# Altium PCB klpfly.PcbDoc
Units mil, origin at the board's own origin, x right, y up, seen from the top; angles counter-clockwise.
Board outline 1496.06 x 1496.06 mil, 4 copper layers (Top Layer, POWER2, GND3, Bottom Layer), stack 23.756 mil thick; 127 components, 99 nets, 524 pads, 122 vias.
Unrouted connection lines stored in the file: 274.
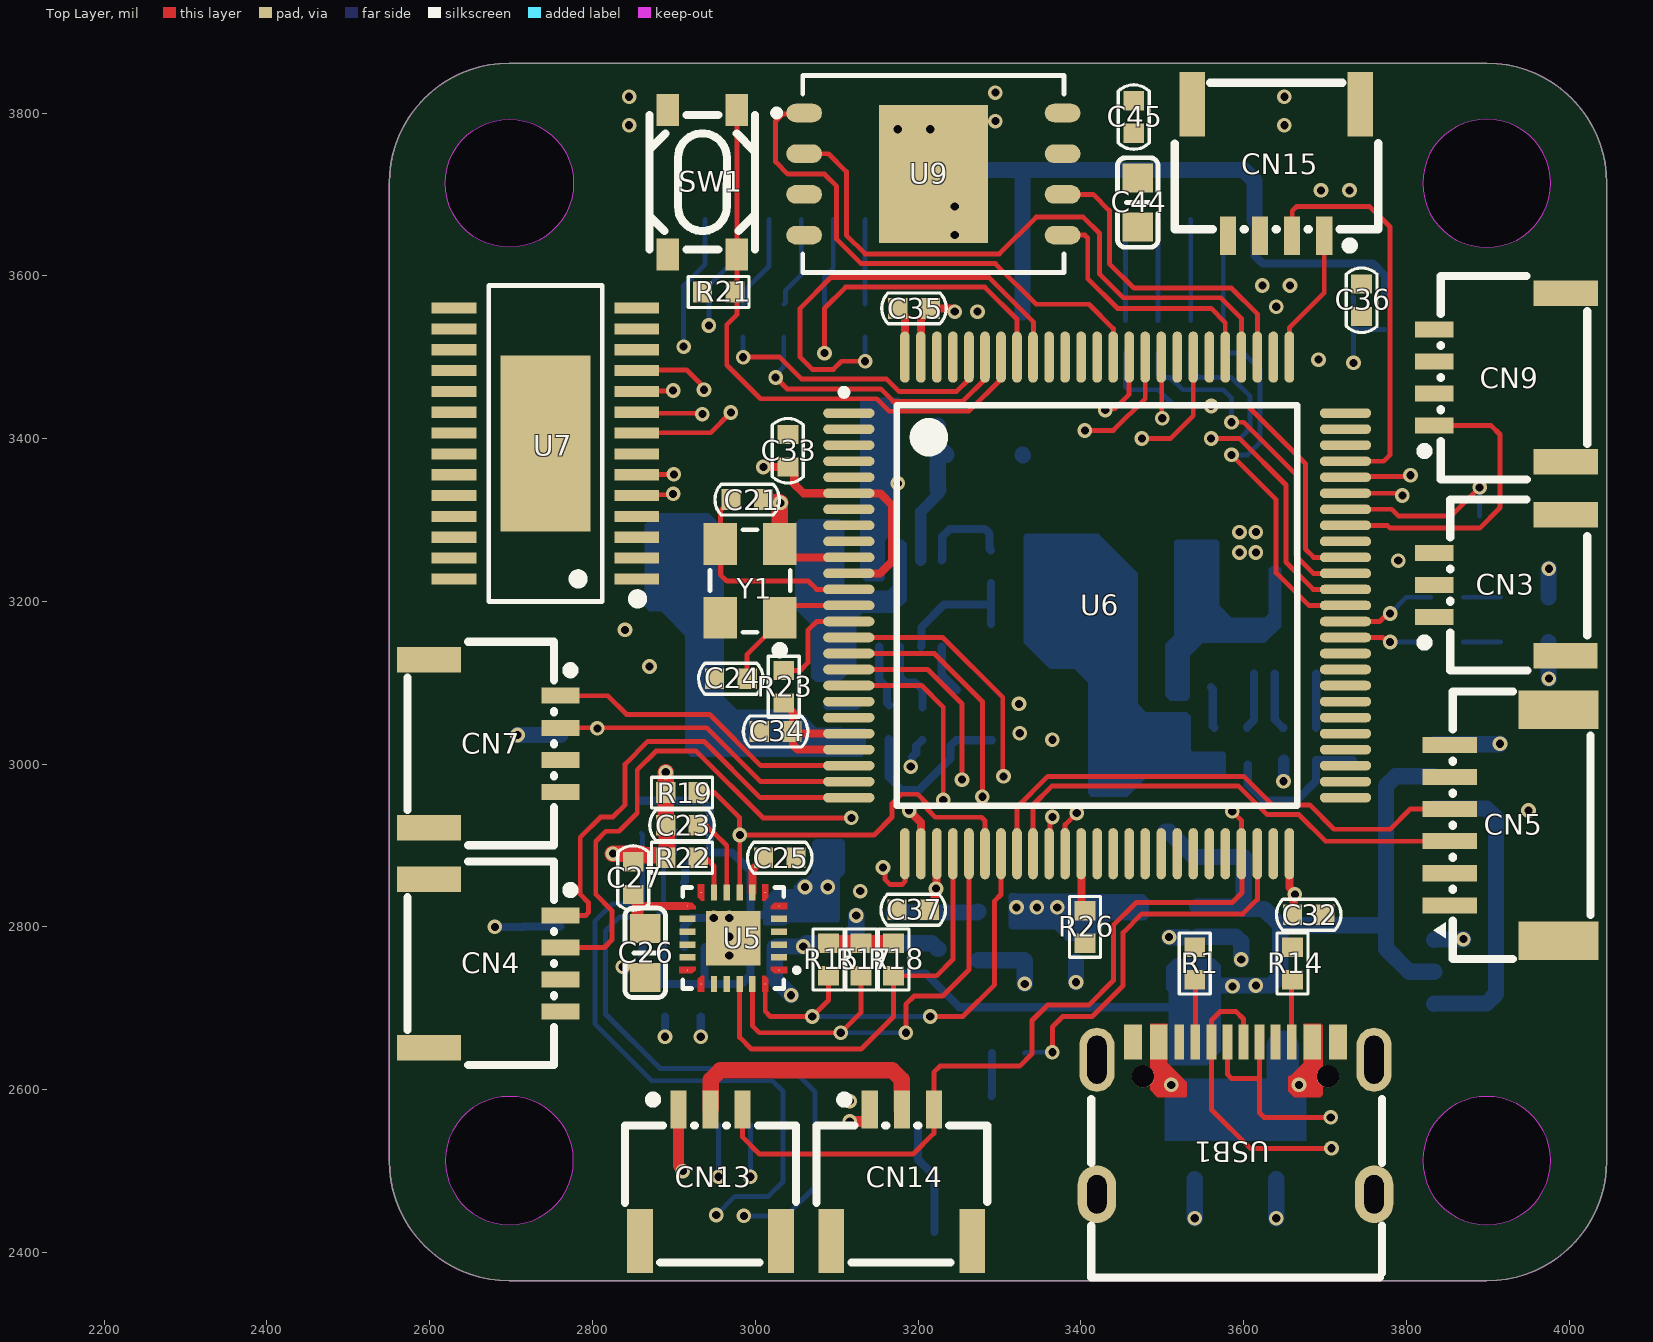
[diagram p0: Top Layer view]
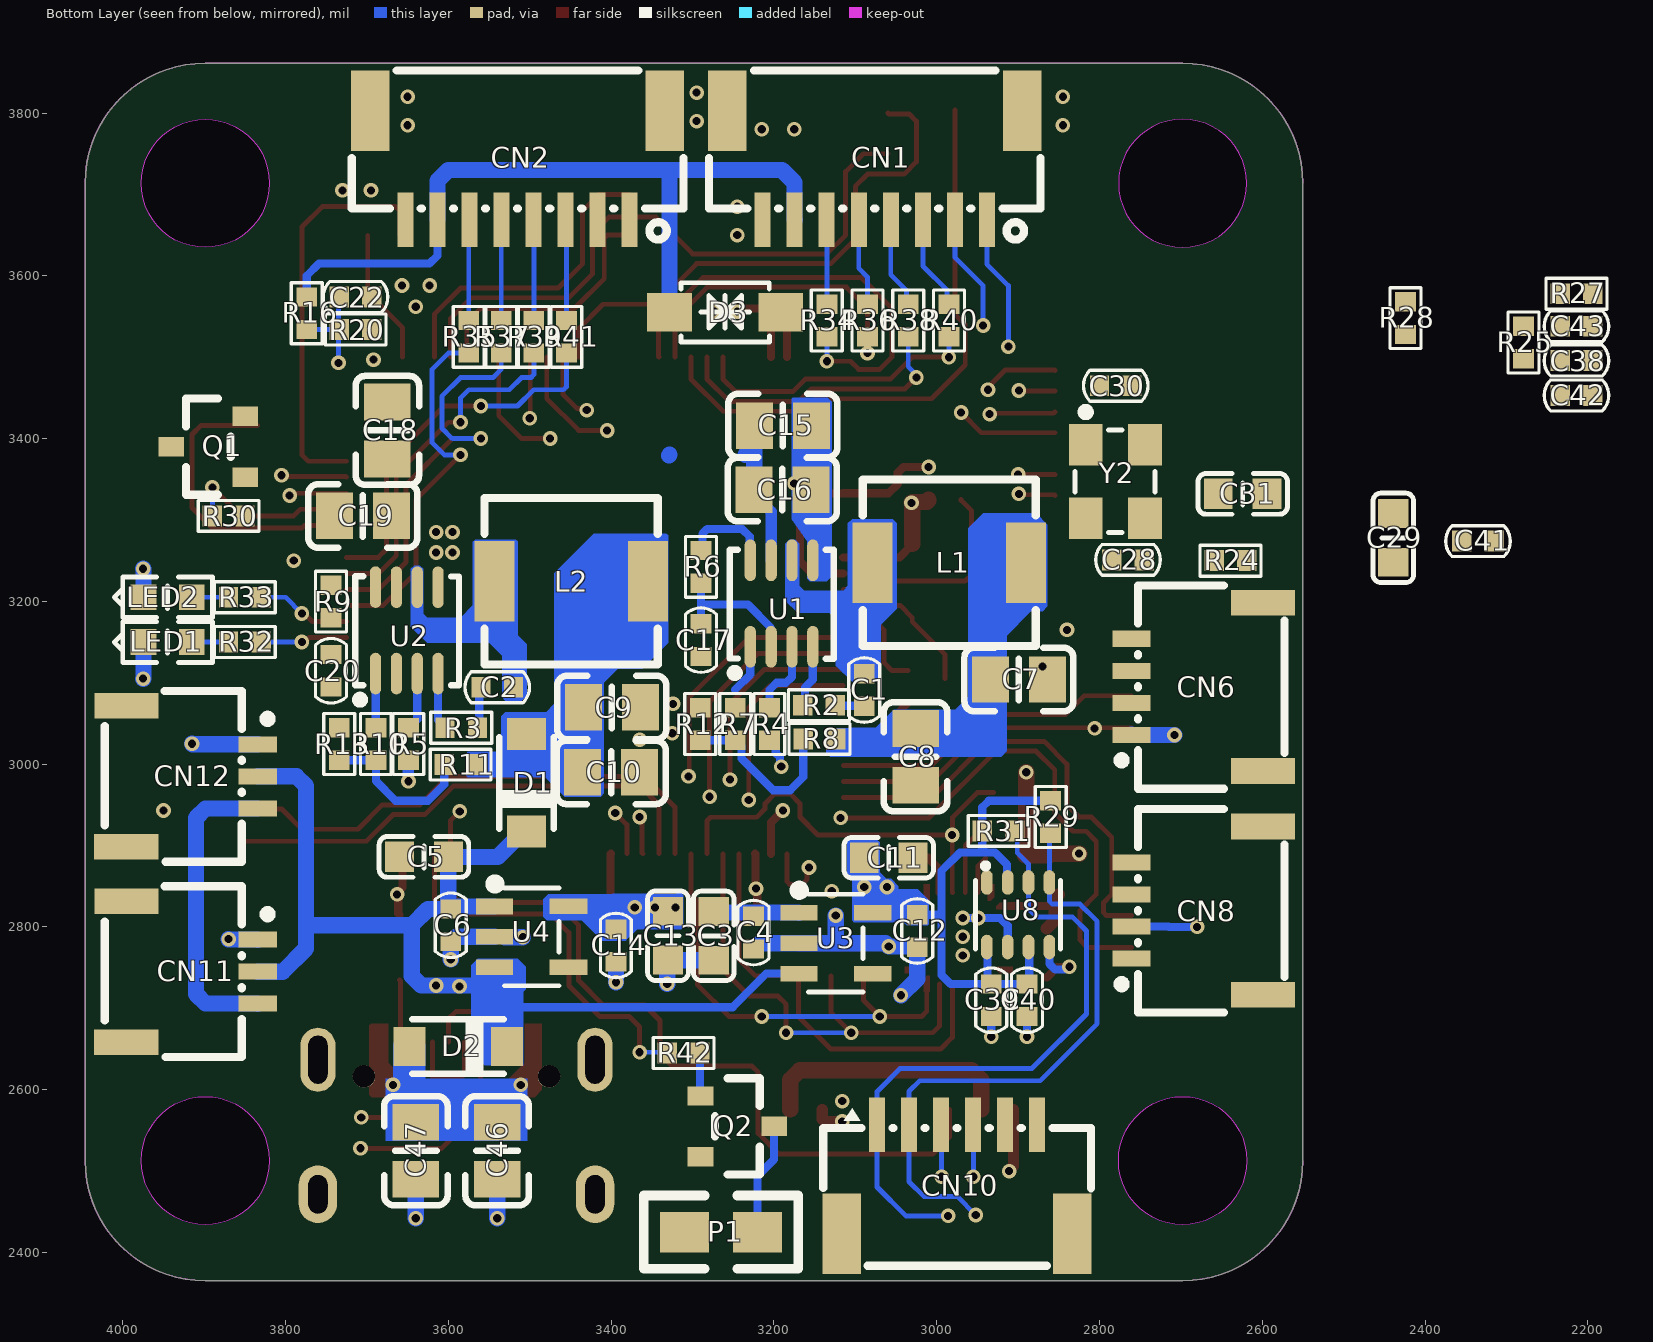
[diagram p1: Bottom Layer view, seen from below]
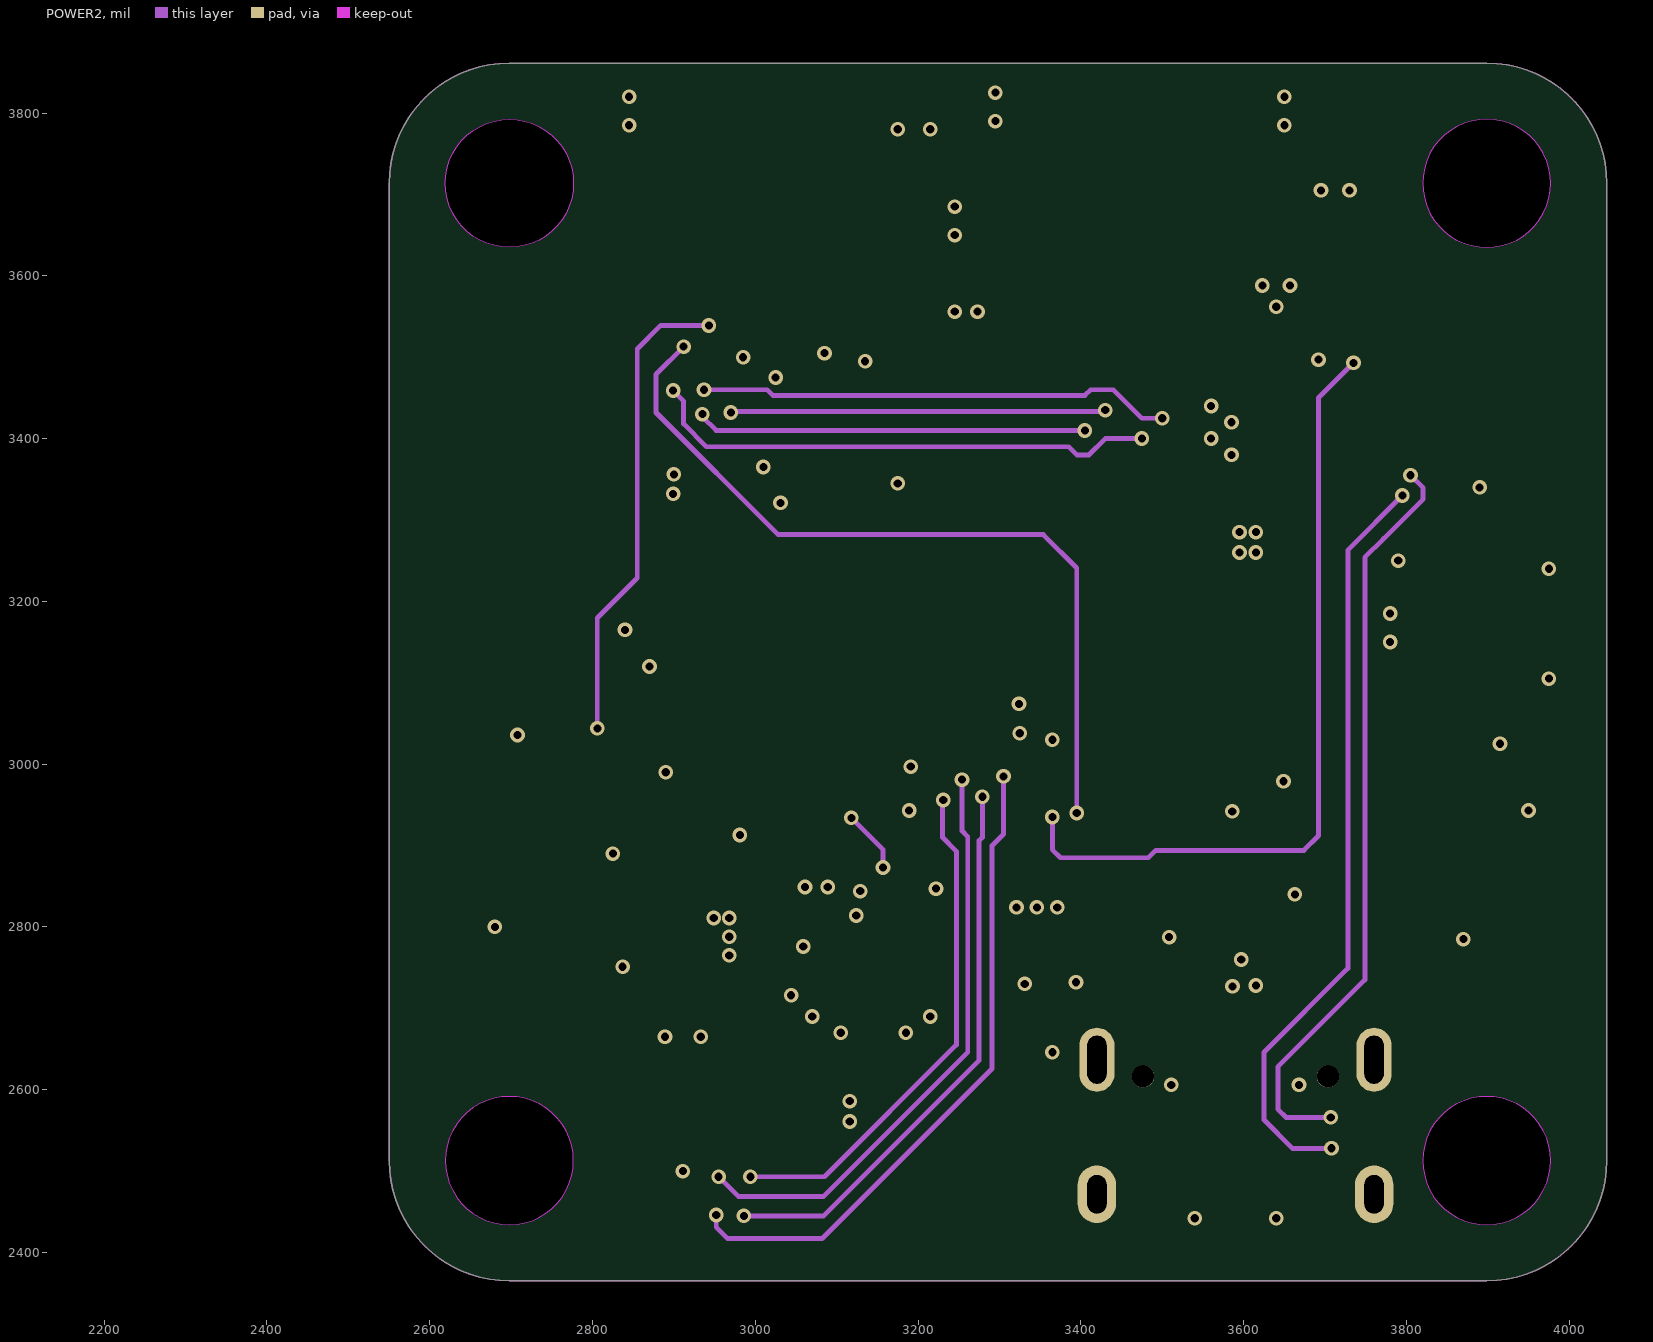
[diagram p2: POWER2]
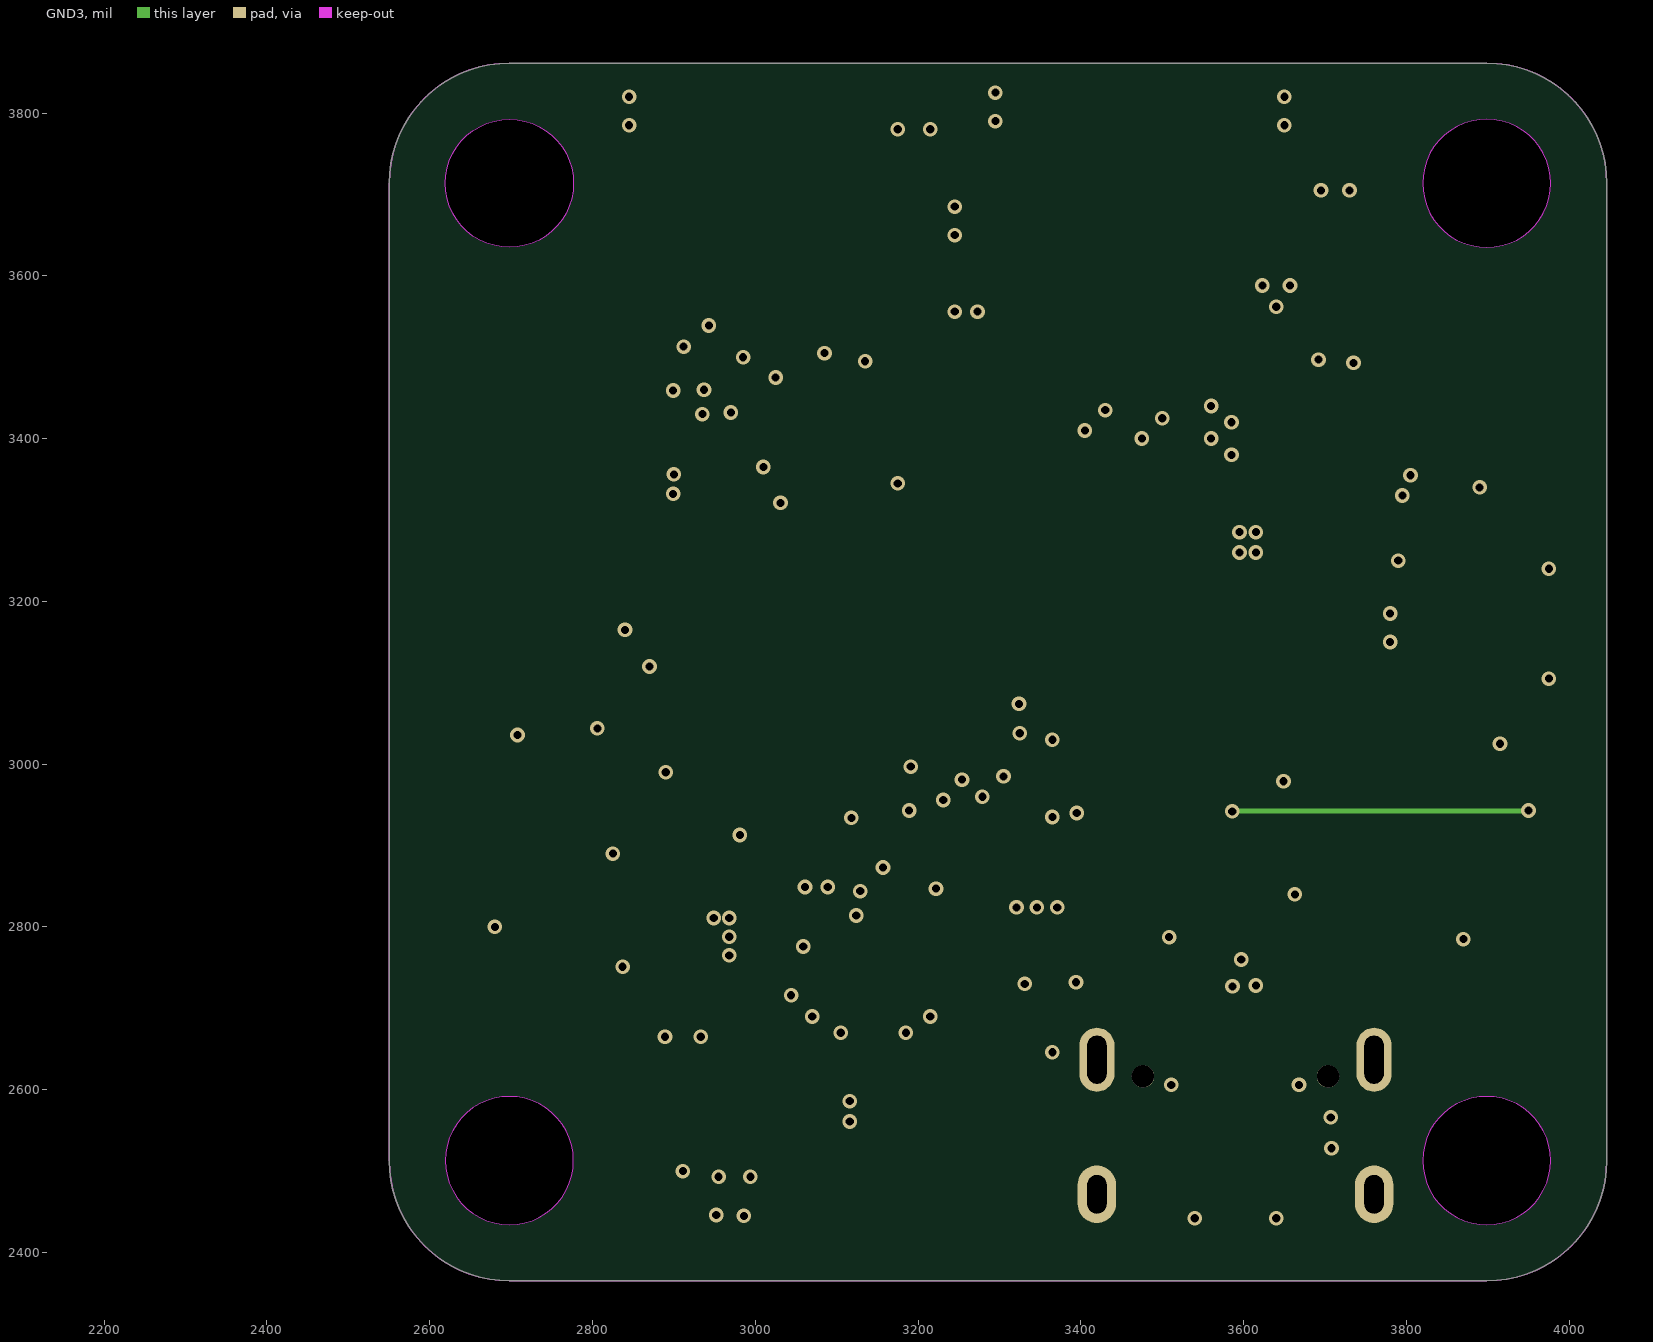
[diagram p3: GND3]
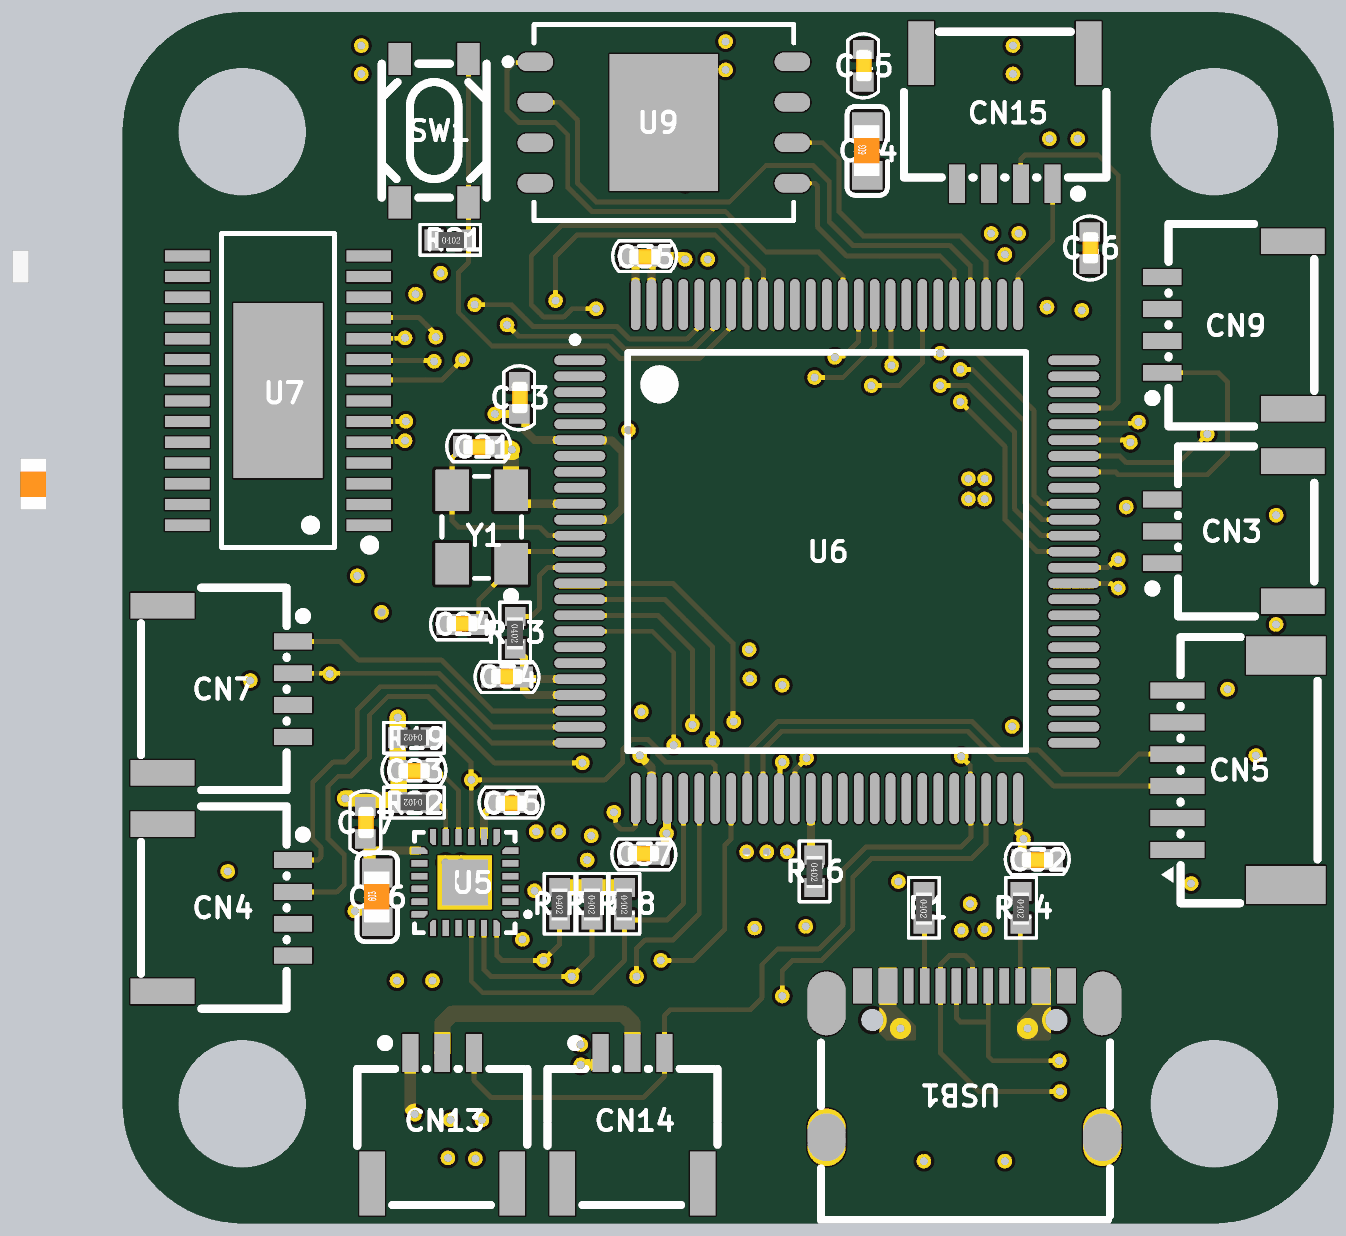
[diagram p4: 3D render of the assembled board from above, using the file's embedded part models]
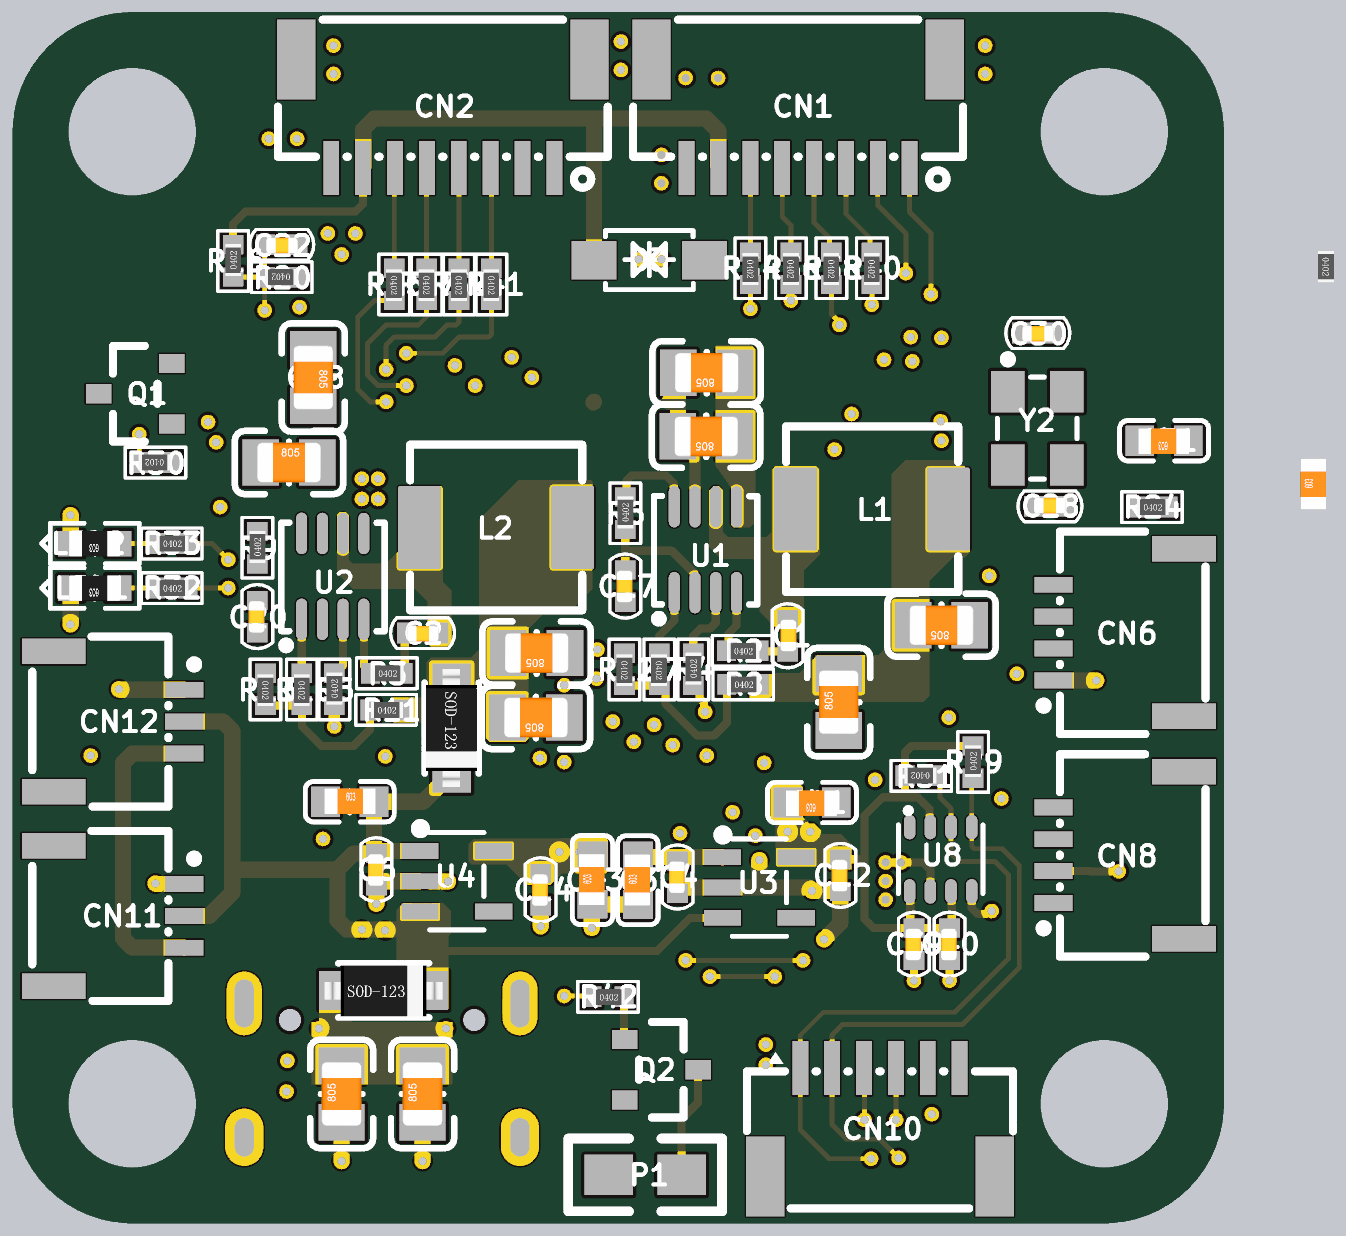
[diagram p5: 3D render of the assembled board from below, using the file's embedded part models]

## Layer stack, top to bottom
Top Solder: solder mask 0.4, Solder Resist, Dk 3.5
Top Layer: signal copper 1.4
Dielectric 2: prepreg 2.8, PP-006, Dk 4.1
POWER2: signal copper 1.378
Dielectric 1: dielectric 12.6, FR-4, Dk 4.8
GND3: signal copper 1.378
Dielectric 3: prepreg 2.8, PP-006, Dk 4.1
Bottom Layer: signal copper 1.4
Bottom Solder: solder mask 0.4, Solder Resist, Dk 3.5

## Board outline
2550.25,2512.89 ccw(c2697.89,2512.89) 2697.89,2365.25 3898.68,2365.25 ccw(c3898.68,2512.89) 4046.31,2512.89 4046.31,3713.68 ccw(c3898.68,3713.68) 3898.68,3861.31 2697.89,3861.31 ccw(c2697.89,3713.68) 2550.25,3713.68
cut-out: 2697.89,3634.93 cw(c2697.89,3713.68) 2619.15,3713.68 cw(c2697.89,3713.68) 2697.89,3792.42 cw(c2697.89,3713.68) 2776.63,3713.68 cw(c2697.89,3713.68)
cut-out: 3819.93,3713.68 ccw(c3898.68,3713.68) 3898.68,3634.93 ccw(c3898.68,3713.68) 3977.42,3713.68 ccw(c3898.68,3713.68) 3898.68,3792.42 ccw(c3898.68,3713.68)
cut-out: 3819.93,2512.89 ccw(c3898.68,2512.89) 3898.68,2434.15 ccw(c3898.68,2512.89) 3977.42,2512.89 ccw(c3898.68,2512.89) 3898.68,2591.63 ccw(c3898.68,2512.89)
cut-out: 2619.15,2512.89 ccw(c2697.89,2512.89) 2697.89,2434.15 ccw(c2697.89,2512.89) 2776.63,2512.89 ccw(c2697.89,2512.89) 2697.89,2591.63 ccw(c2697.89,2512.89)

## Design rules (kind name [scope] priority, off if disabled: settings)
Clearance Clearance_HVPOWER [InNetClass('HVPOWER')] p1: gap=10 ignorepadtopadclearanceinfootprint=TRUE except(0: Arc-Hole Track-Hole SMDPad-Hole THPad-Hole Via-Hole Fill-Hole Poly-Hole Region-Hole Text-Hole)
Clearance Clearance_LVPOWER [InNetClass('LVPOWER')] p2: gap=8 ignorepadtopadclearanceinfootprint=TRUE except(0: Arc-Hole Track-Hole SMDPad-Hole THPad-Hole Via-Hole Fill-Hole Poly-Hole Region-Hole Text-Hole)
Clearance [All] p3: gap=6 ignorepadtopadclearanceinfootprint=TRUE
ComponentClearance [All] p1: gap=10 collisioncheckmode=3 verticalgap=0 showdistances=FALSE
PolygonConnect [All] p1: connectstyle=Relief reliefconductorwidth=10 reliefentries=4 polygonreliefangle="90 Angle" airgapwidth=10
RoutingVias [All] p1: holewidth=10 width=18 viastyle="Through Hole" minholewidth=10 minwidth=18 maxholewidth=100 maxwidth=100
SilkToSilkClearance [All] p1: silktosilkclearance=0
SilkToSolderMaskClearance [IsPad] p1: minsilkscreentomaskgap=0 clearancetoexposedcopper=TRUE
SolderMaskExpansion [All] p1: expansion=4 istentingtop=FALSE
Width Width_LVPOWER [InNetClass('LVPOWER')] p1: maxlimit=1000 minlimit=10 preferedwidth=10
Width Width_HVPOWER [InNetClass('HVPOWER')] p2: maxlimit=1000 minlimit=10 preferedwidth=10
Width [All] p3: maxlimit=1000 minlimit=6 preferedwidth=6
27 further rules are at their usual default settings.

## Classes and differential pairs
net class LVPOWER: GND VCC3V3_IMU VCC3V3_MCU VCC5V
net class HVPOWER: VCC10V VCC_BAT

## Components (designator, comment, footprint, x,y, rotation, side; value= is the part's Value field where it differs from the comment)
C1 "104" 0402C 3089,3091 r270 bottom
C2 "104" 0402C 3540,3094.41 r0 bottom
C3 "10uF" 0603C 3274,2789 r90 bottom
C4 "104" 0402C 3225,2793 r90 bottom
C5 "10uF" 0603C 3630,2886 r180 bottom
C6 "104" 0402C 3597,2802 r90 bottom
C7 "22uF" 0805C 2899,3104 r0 bottom
C8 "22uF" 0805C 3026,3009 r90 bottom
C9 "22uF" 0805C 3399.09,3069.73 r0 bottom
C10 "22uF" 0805C 3400,2990 r0 bottom
C11 "10uF" 0603C 3059,2885 r0 bottom
C12 "104" 0402C 3024,2795 r90 bottom
C13 "10uF" 0603C 3330.15,2789.22 r90 bottom
C14 "104" 0402C 3394.15,2777.22 r90 bottom
C15 "22uF" 0805C 3189,3416 r0 bottom
C16 "22uF" 0805C 3189.63,3337.38 r0 bottom
C17 "104" 0402C 3289.63,3152.38 r90 bottom
C18 "22uF" 0805C 3675,3410 r270 bottom
C19 "22uF" 0805C 3705,3305 r180 bottom
C20 "104" 0402C 3744.09,3114.73 r90 bottom
C21 "12pF" 0402C 2990,3325 r180 top
C22 "104" 0402C 3714,3574 r0 bottom
C23 "104" 0402C 2910,2925 r180 top
C24 "12pF" 0402C 2970,3105 r0 top
C25 "104" 0402C 3030,2885 r180 top
C26 "10uF" 0603C 2864.73,2768.06 r90 top
C27 "104" 0402C 2850,2860 r270 top
C28 "12pF" 0402C 2765,3251 r180 bottom
C29 "10uF" 0603C 2439,3278 r90 bottom
C30 "12pF" 0402C 2780,3465 r0 bottom
C31 "10uF" 0603C 2624,3332 r0 bottom
C32 "104" 0402C 3680,2815 r180 top
C33 "104" 0402C 3040,3385 r270 top
C34 "104" 0402C 3025,3040 r0 top
C35 "104" 0402C 3195,3560 r180 top
C36 "104" 0402C 3745,3570 r270 top
C37 "104" 0402C 3194,2821 r0 top
C38 "104" 0402C 2214,3495.84 r180 bottom
C39 "104" 0402C 2933,2710 r90 bottom
C40 "104" 0402C 2889,2710 r90 bottom
C41 "104" 0402C 2335,3274 r0 bottom
C42 "104" 0402C 2214,3453 r180 bottom
C43 "104" 0402C 2214,3538 r180 bottom
C44 "10uF" 0603C 3470,3690 r90 top
C45 "104" 0402C 3465,3795 r270 top
C46 "22uF" 0805C 3540,2525 r90 bottom
C47 "22uF" 0805C 3640,2525 r90 bottom
CN1 "SH1.0X8P" CONN-SMD_8P-P1.00_WAFER-SH1.0-8PWB 3076.1,3735.91 r0 bottom
CN2 "SH1.0X8P" CONN-SMD_8P-P1.00_WAFER-SH1.0-8PWB 3515,3735.91 r0 bottom
CN3 "SH1.0-3P" CONN-SMD_3P-P1.00_HDGC_HDGC1002WR-S-3P 3915,3220 r90 top
CN4 "HDGC1002WR-S-4P" CONN-SMD_4P-P1.00_HDGC_HDGC1002WR-S-4P 2680,2755 r270 top
CN5 "SH1.0X6P" CONN-SMD_6P-P1.00_MEGASTAR_ZX-SH1.0-6PWT 3920,2925 r90 top
CN6 "HDGC1002WR-S-4P" CONN-SMD_4P-P1.00_HDGC_HDGC1002WR-S-4P 2680,3095 r90 bottom
CN7 "HDGC1002WR-S-4P" CONN-SMD_4P-P1.00_HDGC_HDGC1002WR-S-4P 2680,3025 r270 top
CN8 "HDGC1002WR-S-4P" CONN-SMD_4P-P1.00_HDGC_HDGC1002WR-S-4P 2680,2820 r90 bottom
CN9 "HDGC1002WR-S-4P" CONN-SMD_4P-P1.00_HDGC_HDGC1002WR-S-4P 3915,3475 r90 top
CN10 "SH1.0X6P" CONN-SMD_6P-P1.00_MEGASTAR_ZX-SH1.0-6PWT 2975,2490 r180 bottom
CN11 "SH1.0-3P" CONN-SMD_3P-P1.00_HDGC_HDGC1002WR-S-3P 3915,2745 r270 bottom
CN12 "SH1.0-3P" CONN-SMD_3P-P1.00_HDGC_HDGC1002WR-S-3P 3915,2985 r270 bottom
CN13 "SH1.0-3P" CONN-SMD_3P-P1.00_HDGC_HDGC1002WR-S-3P 2945,2495 r0 top
CN14 "SH1.0-3P" CONN-SMD_3P-P1.00_HDGC_HDGC1002WR-S-3P 3180,2495 r0 top
CN15 "HDGC1002WR-S-4P" CONN-SMD_4P-P1.00_HDGC_HDGC1002WR-S-4P 3640,3730 r180 top
D1 "SS34" SOD-123 3504,2977 r270 bottom
D2 "SS34" SOD-123 3588,2653 r180 bottom
D3 "SMF28CA" SOD-123_L2.7-W1.8-LS3.7-BI 3260,3555 r0 bottom
L1 "10uH" IND-SMD_L5.4-W5.1 2984.63,3247.38 r0 bottom
L2 "10uH" IND-SMD_L5.4-W5.1 3449.09,3224.73 r0 bottom
LED1 "LED1" LED-0603 3945,3150 r0 bottom value=红色,0603
LED2 "LED1" LED-0603 3945,3205 r0 bottom value=红色,0603
P1 "BEEPER" 0805 3310,2425.06 r180 bottom
Q1 "S8050LT1-J3Y" SOT-23_L2.9-W1.3-P1.90-LS2.4-BR 3895,3390 r180 bottom
Q2 "S8050LT1-J3Y" SOT-23_L2.9-W1.3-P1.90-LS2.4-BR 3245,2555 r0 bottom
R1 "5.1K" 0402R 3540,2755 r270 top
R2 "20R" 0402R 3144.63,3072.38 r180 bottom
R3 "20R" 0402R 3584.09,3044.73 r180 bottom
R4 "1M" 0402R 3205.63,3049.38 r90 bottom
R5 "1M" 0402R 3649.09,3024.73 r90 bottom
R6 "100K" 0402R 3289.63,3242.38 r90 bottom
R7 "51K" 0402R 3247.63,3049.38 r270 bottom
R8 "41.2K" 0402R 3144,3031 r180 bottom
R9 "100K" 0402R 3744.09,3199.73 r90 bottom
R10 "51K" 0402R 3689.09,3024.73 r270 bottom
R11 "41.2K" 0402R 3585,2999.41 r180 bottom
R12 "3.6K" 0402R 3290.63,3049.38 r270 bottom
R13 "7.68K" 0402R 3734.09,3024.73 r270 bottom
R14 "5.1K" 0402R 3660,2755 r270 top
R15 "10K" 0402R 3090,2760 r270 top
R16 "10K" 0402R 3774,3554 r90 bottom
R17 "10K" 0402R 3130,2760 r270 top
R18 "10K" 0402R 3170,2760 r270 top
R19 "10K" 0402R 2910,2965 r180 top
R20 "1K" 0402R 3714,3534 r0 bottom
R21 "10K" 0402R 2955,3580 r0 top
R22 "10K" 0402R 2910,2885 r180 top
R23 "10K" 0402R 3035,3095 r270 top
R24 "75R" 0402R 2639,3250 r180 bottom
R25 "75R" 0402R 2279,3518 r270 bottom
R26 "10K" 0402R 3405,2800 r270 top
R27 "10K" 0402R 2214,3578 r180 bottom
R28 "10K" 0402R 2424,3548 r270 bottom
R29 "10K" 0402R 2860,2935 r90 bottom
R30 "1K" 0402R 3870,3305 r0 bottom
R31 "10K" 0402R 2924,2918 r0 bottom
R32 "4.7K" 0402R 3850,3150 r180 bottom
R33 "4.7K" 0402R 3850,3205 r180 bottom
R34 "100R" 0402R 3135,3545 r270 bottom
R35 "100R" 0402R 3575,3525 r270 bottom
R36 "100R" 0402R 3085,3545 r270 bottom
R37 "100R" 0402R 3535,3525 r270 bottom
R38 "100R" 0402R 3035,3545 r270 bottom
R39 "100R" 0402R 3495,3525 r270 bottom
R40 "100R" 0402R 2985,3545 r270 bottom
R41 "100R" 0402R 3455,3525 r270 bottom
R42 "1K" 0402R 3311,2645 r180 bottom
SW1 "TS3425BA" SW-SMD_4P-L4.2-W3.2-P2.15-LS4.6-1 2935,3715 r270 top
U1 "MP9943" QFN-8-3X3 3189.63,3197.38 r90 bottom
U2 "MP9943" QFN-8-3X3 3650,3164.41 r90 bottom
U3 "SPX3819M5-L-3-3/TR" SOT-23-5_L3.0-W1.7-P0.95-LS2.8-BL 3124,2780 r270 bottom
U4 "SPX3819M5-L-3-3/TR" SOT-23-5_L3.0-W1.7-P0.95-LS2.8-BL 3497.73,2787.82 r270 bottom
U5 "MPU6500" QFN-24_L3.0-W3.0-P0.40-BL-EP 2972.87,2786.2 r90 top
U6 "AT32F437VMT7-LQFP100" LQFP-100_L14.0-W14.0-P0.50-LS16.0-TL 3420,3195 r0 top locked
U7 "AT7456E" TSSOP-28_L9.7-W4.4-P0.65-LS6.4-BL-EP5.5 2742.21,3393.98 r90 top
U8 "BMP280" SENSOR-TH_BMP280-BL 2900,2815 r270 bottom
U9 "W25N01GVZEIG" WSON-8_L8.0-W6.10-P1.27-EP 3218.77,3725 r0 top
USB1 "" USB-C-SMD_TYPE-C-6PIN-2MD-073 3590,2565 r0 top
Y1 "8Mhz" XTAL3225 3030,3180 r90 top
Y2 "27MHz" XTAL3225 2817,3392.55 r270 bottom
